# Altium PCB LimeSDR-Micro_1v0.PcbDoc (part 6 of 8)
Units mm, origin at the board's own origin, x right, y up, seen from the top; angles counter-clockwise.
Board outline 50.8 x 29.7 mm, 8 copper layers (Top, L2, L3, L4, L5, L6, L7, Bottom), stack 0.925 mm thick; 648 components, 374 nets, 2297 pads, 812 vias.
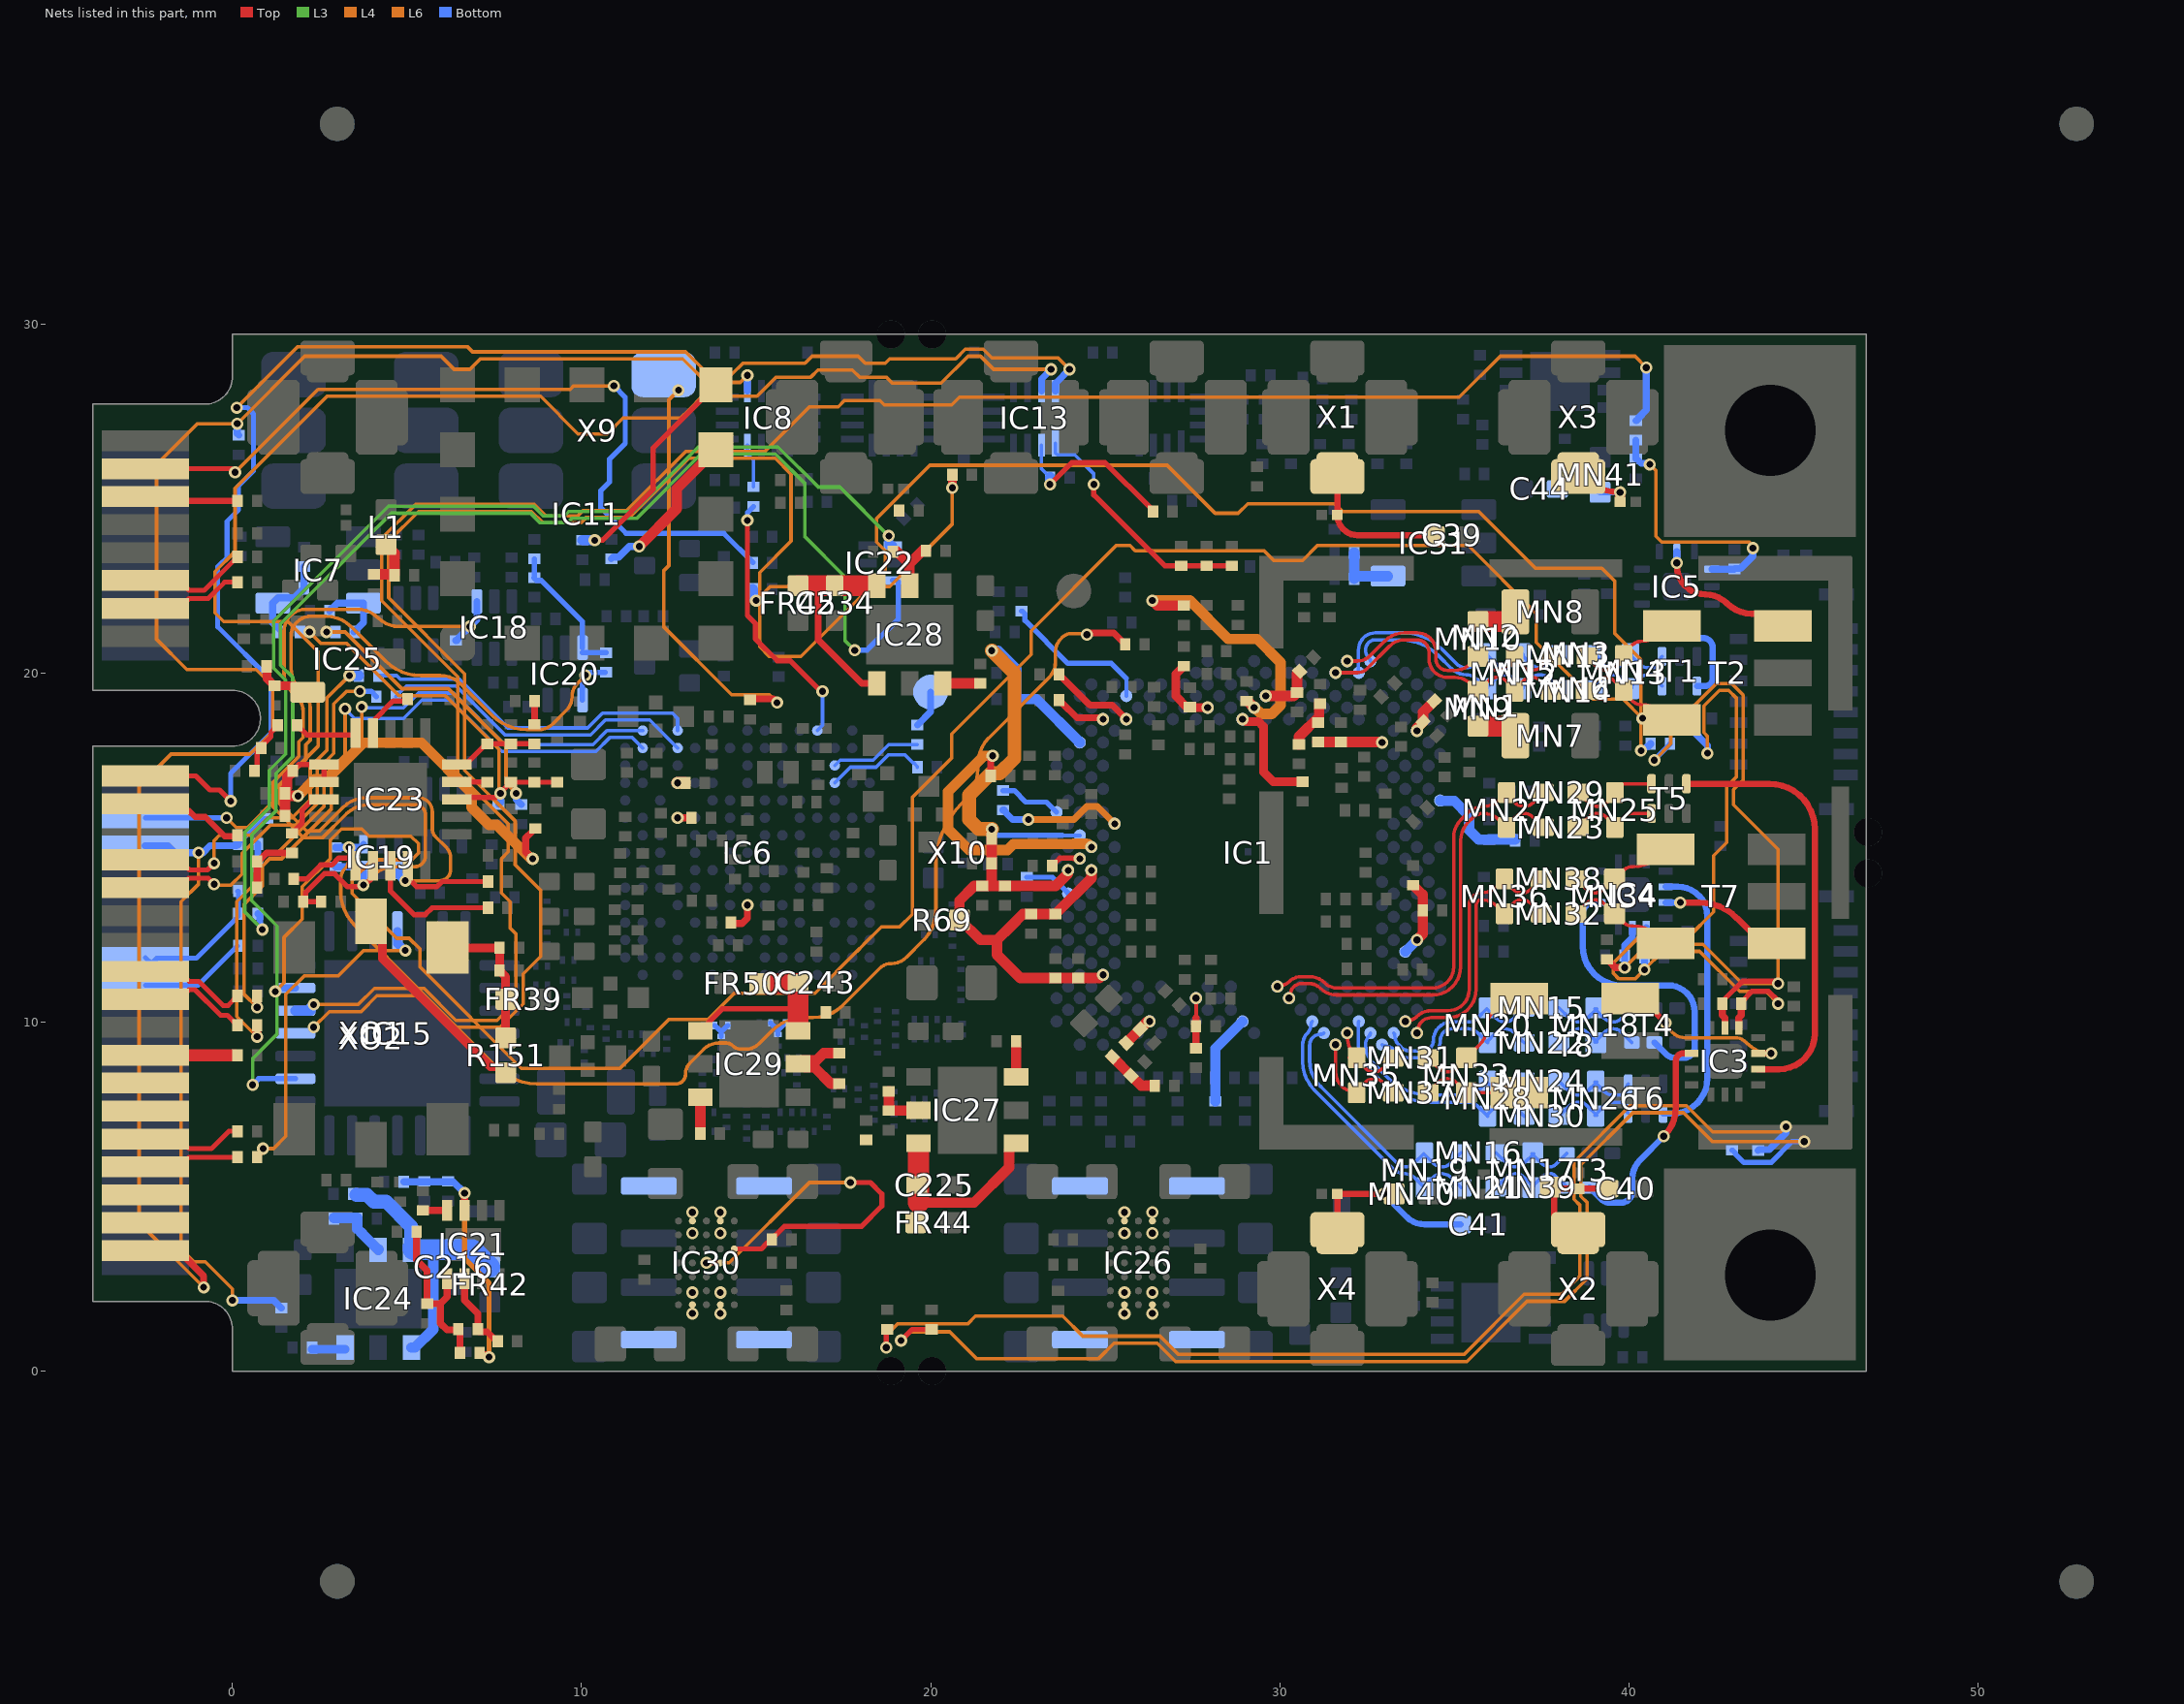
[diagram p12: the nets of this part, all layers, seen from the top]

## Via types
v1: diameter 0.35, hole 0.2, Top to Bottom, tented both sides, 670 vias
v2: diameter 0.35, hole 0.2, L5 to Bottom, tented both sides, 104 vias
v3: diameter 0.4, hole 0.2, Top to Bottom, tented both sides, 30 vias
v4: diameter 0.5, hole 0.2, Top to Bottom, tented both sides, 8 vias

## Nets (pads, with @x,y where several pads share a name; then routed paths per layer and width w, separated by ;. In a path a pad name is that pad's centre, name@x,y a point inside that pad or via, vN(x,y) a via of type N, cw(c..) or ccw(c..) an arc to the next point about the centre after c; other vN are vias at no path point) (continued)
NetC90_1: C90.1 C91.1 C92.1 C93.1 C94.1 C95.1 C96.1 C97.1 C98.1 C99.1 IC1.AH30 IC1.H32 IC1.T32 IC1.W31 IC1.W33 R69.2 | length 27.7
  Top w0.3: R69.2@20.825,12.925 R69.2@20.825,12.95 ; v1@21.746,15.525 C94.1@21.746,15.258 C95.1@21.746,14.541 21.746,13.9 ; 22.3,12.749 21.9,12.349 ; 22.3,12.75 22.641,13.091 C91.1@22.875,13.091 C90.1@23.575,13.091 24.604,14.12 v1(24.604,14.346) ; v1(23.938,14.346) 23.929,14.336 23.929,14.245 23.584,13.9 C96.1@22.13,13.9 21.746,13.9 ; v1(24.937,11.349) 24.924,11.349 24.832,11.257 C99.1@24.225,11.257 C98.1@23.575,11.257 22.568,11.257 21.9,11.925 21.9,12.349 ; R69.2@20.825,12.95 21.426,12.349 21.9,12.349 ; R69.2@20.825,12.95 20.825,13.475 21.25,13.9 C97.1@21.475,13.9 21.746,13.9
  L4 w0.4: v1(21.75,15.525) 21.375,15.525 21.1,15.8 21.1,16.5 21.725,17.125 21.975,17.125 22.4,17.55 22.4,19.989 v1(21.75,20.639)
  Bottom w0.11: 23.767,15.345 IC1.T32@24.271,15.345
  Bottom w0.15: v1(21.75,15.525) 21.93,15.345 23.767,15.345
  Bottom w0.3: v1(21.75,20.639) 21.93,20.639 22.45,20.119 C93.1@22.45,20 C92.1@22.45,19.25 23.031,19.25 IC1.H32@24.271,18.009
NetC100_1: C100.1 FR26.1 IC1.G3 | length 1.1
  Top w0.3: v1(33.929,18.342) 33.938,18.352 33.938,18.434 34.12,18.616 34.106,18.629 34.106,18.877 FR26.1@34.427,19.198
NetC101_1: C101.1 FR33.1 IC1.E21 | length 2
  Top w0.25: FR33.1@27.25,20.195 27.225,20.195 27.2,20.17 27.2,20.145 27.025,19.97 27.025,19.337 27.354,19.008 v1(27.934,19.008)
NetC102_1: C102.1 FR32.1 IC1.D16 | length 1.6
  Top w0.3: v1(29.599,19.341) 30.395,19.341 C102.1@30.495,19.441 30.495,19.975 FR32.1@30.57,20.05
NetC103_1: C103.1 FR31.1 IC1.E17 | length 7.8
  Top w0.3: v1(26.35,22.075) 26.495,21.93 FR31.1@27.25,21.93 ; C103.1@29.05,19.195 29.075,19.195 29.262,19.008 v1(29.266,19.008)
  L4 w0.3: v1(26.35,22.075) 27.425,22.075 28.525,20.975 29.35,20.975 30.025,20.3 30.025,19.075 29.775,18.825 29.463,18.825 29.28,19.008 v1(29.266,19.008)
NetC104_1: C104.1 FR30.1 IC1.AK22 | length 1.4
  Top w0.11: 27.601,10.124 v1(27.601,10.683)
  Top w0.2: FR30.1@27.601,9.25 C104.1@27.601,9.875 27.601,10.124
NetC105_1: C105.1 FR29.1 IC1.AM18 | length 2.6
  Bottom w0.3: FR29.1@28.155,7.73 C105.1@28.155,8.4 28.155,9.239 IC1.AM18@28.933,10.017
NetC106_1: C106.1 FR28.2 IC1.AE3 IC1.AF4 | length 2.2
  Top w0.3: FR28.2@33.82,13.92 34.095,13.645 C106.1@34.095,13.2 34.095,12.528 33.929,12.362 v1(33.929,12.348)
  Bottom w0.3: IC1.AF4@33.596,12.015 v1(33.929,12.348)
NetC107_1: C107.1 FR27.2 IC1.N1 | length 2.9
  Bottom w0.3: IC1.N1@34.595,16.344 34.606,16.333 34.997,16.333 35.425,15.905 35.425,15.5 35.7,15.225 C107.1@36,15.225 ; C107.1@36,15.23 FR27.2@36.745,15.23
NetC108_1: C108.1 FR35.1 IC1.AM26 | length 0.9
  Top w0.3: FR35.1@25.598,9.398 26.207,10.007 26.26,10.007 v1(26.269,10.017)
NetC109_1: C109.1 FR34.2 IC1.H6 | length 1.9
  Top w0.3: FR34.2@31.075,18.02 31.725,18.02 32.905,18.02 32.916,18.009 v1(32.93,18.009)
NetC110_1: C110.1 FR35.2 R71.2 | length 1.6
  Top w0.3: FR35.2@25.202,9.002 C110.1@25.74,8.465 26.029,8.175 R71.2@26.42,8.175
NetC111_1: C111.1 FR34.1 R70.1 | length 1.4
  Top w0.3: C111.1@30.55,17.955 30.55,18.175 31.125,18.75 31.125,19.12 R70.1@31.15,19.12
NetC125_1: C125.1 R79.1 | length 8.4
  L6 w0.1: v2(2.205,21.175) 2.53,20.85 3.267,20.85 4.767,19.35 6.1,19.35 7.634,17.816 7.634,16.591 v2(7.675,16.55)
  Bottom w0.2: R79.1@7.625,16.23 7.675,16.28 v2(7.675,16.55)
NetC125_2: C125.2 IC7.4 R74.2 R75.2 | length 2.6
  Bottom w0.2: C125.2@1.42,21.175 1.15,21.445 IC7.4@1.15,22 1.305,22.155 1.775,22.155 1.97,22.35 1.995,22.35 2.045,22.4 R74.2@2.045,22.425 2.045,23.04 R75.2@2.05,23.045
NetC131_1: C131.1 R82.1 | length 8.3
  L6 w0.1: v2(2.695,21.175) 3.225,21.175 4.85,19.55 6.183,19.55 7.834,17.899 7.834,16.851 8.125,16.56 v2(8.125,16.55)
  Bottom w0.2: v2(8.125,16.55) 8.125,16.38 R82.1@8.275,16.23
NetC131_2: C131.2 IC7.3 R84.2 | length 2
  Bottom w0.2: R84.2@2.78,21.775 2.78,21.8 2.83,21.85 2.855,21.85 3.005,22 IC7.3@3.75,22 3.75,21.445 C131.2@3.48,21.175
NetC167_1: C167.1 L1.2 R107.1 | length 1.4
  Top w0.3: R107.1@4.175,22.83 4.645,22.83 4.645,23.43 L1.2@4.4,23.675
NetC186_1: C186.1 C187.1 FR39.1 R151.2 XO1.5 XO2.4 | length 4.3
  Top w0.25: XO1.5@6.164,12.135 6.164,12.225 6.264,12.125 C186.1@7.65,12.125 7.65,11.48 C187.1@7.645,11.475 7.825,11.295 FR39.1@7.825,10.65 7.823,10.648 R151.2@7.823,9.547
NetC193_2: C193.2 IC20.3 R157.2 R162.1 | length 3.9
  Bottom w0.15: R157.2@8.625,22.73 8.7,22.655 8.84,22.655 10.025,21.47 IC20.3@10.025,20.725 ; R157.2@8.65,22.73 C193.2@8.65,23.27 ; IC20.3@10.02,20.58 R162.1@10.7,20.58
NetC194_1: C194.1 IC21.7 R165.1 R167.1 R168.1 | length 7.7
  Top w0.2: IC21.7@6.65,4.6 v1(6.65,5.1) ; R167.1@7.08,0.525 7.13,0.475 7.275,0.475 v1(7.35,0.4)
  L4 w0.15: v1(6.65,5.1) 6.65,3.225 7.35,2.525 v1(7.35,0.4)
  Bottom w0.2: R165.1@4.905,5.425 6.325,5.425 v1(6.65,5.1)
NetC196_1: C196.1 FR40.2 IC21.1 R161.1 R167.2 | length 5.2
  Top w0.2: FR40.2@5.275,3.995 5.275,3.18 5.575,2.88 C196.1@5.575,1.93 5.955,1.93 ; IC21.1@6.15,2.65 6.15,2.125 5.955,1.93 ; R167.2@6.52,0.525 6.52,1.125 6.47,1.175 R161.1@6.47,1.2 6.45,1.18 6.145,1.18 5.955,1.37 5.955,1.93
NetC198_2: C198.2 C199.2 C200.2 FR41.2 IC23.6 IC23.7 | length 13.1
  Top w0.15: C199.2@1.825,17.3 1.9,17.375 IC23.6@2.625,17.375 IC23.7@2.625,16.875
  Top w0.2: v1(8.6,14.675) 8.4,14.875 8.4,15.27 8.6,15.47 8.6,15.495 8.65,15.545 FR41.2@8.675,15.545
  Top w0.3: C200.2@1.505,15.9 C198.2@1.505,16.525 ; C199.2@1.725,17.175 1.565,17.015 1.565,16.723 1.505,16.663 C198.2@1.505,16.55 C198.2@1.505,16.525 ; v1(1.875,16.475) 1.865,16.485 1.57,16.485 1.53,16.525 C198.2@1.505,16.525
  L6 w0.3: v1(1.875,16.475) 2.35,16.95 2.7,16.95 3.75,18 5.412,18 6.85,16.562 6.85,16.15 7.35,15.65 7.575,15.65 8.55,14.675 v1(8.6,14.675)
NetC202_1: C202.1 C203.2 R169.1 | length 1.6
  Top w0.15: C203.2@0.705,17.2 0.705,17.71 0.82,17.825 R169.1@0.82,17.85 0.895,17.925 0.895,17.97 1.1,18.175 1.1,18.305 1.195,18.4 1.22,18.4 1.295,18.475 C202.1@1.295,18.5
NetC202_2: C202.2 IC23.5 | length 1.8
  Top w0.15: C202.2@1.855,18.5 2.13,18.225 3.475,18.225 IC23.5@3.525,18.275
NetC206_1: C206.1 C208.2 IC23.18 R171.1 | length 3.1
  Top w0.15: IC23.18@6.425,16.375 6.48,16.43 7.535,16.43 7.875,16.77 7.875,16.795 7.95,16.87 C206.1@7.975,16.87 C208.2@8.65,16.87 R171.1@9.3,16.87
NetC209_1: C209.1 IC23.8 | length 1.6
  Top w0.15: C209.1@1.7,15.405 1.725,15.405 1.8,15.48 1.8,15.505 2,15.705 2,16.075 2.3,16.375 IC23.8@2.625,16.375
NetC209_2: C209.2 C210.1 R179.2 | length 1.8
  Top w0.2: C210.1@0.705,13.85 0.705,14.575 0.975,14.845 C209.2@1.7,14.845
NetC211_2: C211.2 IC23.4 | length 1.6
  Top w0.15: IC23.4@4.025,18.275 4.025,18.625 4.6,19.2 C211.2@5.02,19.2
NetC213_1: C213.1 R181.1 | length 0.7
  Top w0.2: C213.1@8.65,18.53 8.65,19.195 R181.1@8.655,19.2
NetC213_2: C213.2 C214.2 IC23.20 R178.2 | length 2.5
  Top w0.15: IC23.20@6.425,17.375 6.673,17.375 R178.2@7.284,17.986 ; R178.2@7.3,17.97 C214.2@7.975,17.97 C213.2@8.65,17.97
NetC215_1: C215.1 IC23.12 R183.1 | length 3.6
  Top w0.15: R183.1@2.54,13.45 2.099,13.45 C215.1@2.025,13.45 2.099,13.524 2.099,13.719 2.63,14.25 2.925,14.25 3.3,13.875 3.747,13.875 3.95,14.078 3.95,14.125 4.025,14.2 IC23.12@4.025,14.475
NetC216_2: C216.2 FR42.2 IC24.1 IC24.6 R188.1 | length 8
  Bottom w0.3: IC24.6@5.025,3.575 IC24.6@5.125,3.475 ; IC24.1@5.125,0.675 5.229,0.675 5.75,1.196 5.75,3.225
  Bottom w0.4: R188.1@3.55,5.05 3.85,5.05 4.05,4.85 4.403,4.85 5.125,4.128 IC24.6@5.125,3.475
  Bottom w0.6: IC24.6@5.175,3.475 C216.2@6.325,3.475 6.875,3.475 FR42.2@7.375,2.975
NetC221_2: C221.2 IC24.3 | length 0.9
  Bottom w0.25: C221.2@2.28,0.625 IC24.3@3.225,0.625
NetC225_2: C225.2 FR44.2 IC27.1 IC27.6 R194.1 | length 5.4
  Top w0.3: 19.65,4.825 21.241,4.825 22.25,5.834 22.25,6.325 IC27.1@22.45,6.525
  Top w0.6: 19.65,4.825 IC27.6@19.65,6.45
NetC230_2: C230.2 IC27.3 | length 0.9
  Top w0.3: IC27.3@22.45,8.425 C230.2@22.45,9.37
NetC234_2: C234.2 FR45.2 IC28.1 IC28.6 R200.1 | length 5.9
  Top w0.2: 16.775,22.5 16.775,20.95 18.025,19.7 IC28.1@18.45,19.7
  Top w0.6: FR45.2@16.2,22.5 16.775,22.5 C234.2@17.25,22.5 IC28.6@18.4,22.5
NetC240_2: C240.2 IC28.3 | length 0.9
  Top w0.3: IC28.3@20.35,19.7 C240.2@21.295,19.7
NetC243_2: C243.2 FR50.2 IC29.1 IC29.6 R204.1 | length 5.1
  Top w0.15: IC29.1@13.4,9.75 14.025,10.375 16.05,10.375
  Top w0.6: FR50.2@15.1,11.1 C243.2@16.175,11.1 ; IC29.6@16.2,9.825 C243.2@16.2,10.95
NetC249_2: C249.2 IC29.3 | length 0.9
  Top w0.3: C249.2@13.4,6.905 IC29.3@13.4,7.85
NetFR36_2: FR36.2 IC11.9 | length 6.4
  Top w0.15: v1(10.375,23.8) 10.6,23.8 12.05,25.25 12.05,26.45 13.425,27.825 13.45,27.825 13.85,28.225 IC11.9@13.85,28.25
  Bottom w0.3: FR36.2@10.025,23.805 10.37,23.805 v1(10.375,23.8)
NetFR37_2: FR37.2 IC11.10 | length 4.6
  Top w0.3: v1(11.65,23.625) 12.725,24.7 12.725,25.275 IC11.10@13.85,26.4
  Bottom w0.2: FR37.2@10.85,23.27 10.9,23.32 11.065,23.32 11.37,23.625 v1(11.65,23.625)
NetIC1_AA33: IC1.AA33 R7.2 | length 1.4
  Bottom w0.15: R7.2@22.75,14.15 23.485,14.15 23.938,13.697 IC1.AA33@23.938,13.68
NetIC1_D28: IC1.D28 R23.1 | length 4.4
  Bottom w0.11: IC1.D28@25.603,19.341 25.603,19.845
  Bottom w0.15: R23.1@22.6,21.77 22.625,21.77 22.7,21.695 22.7,21.505 23.93,20.275 25.171,20.275 25.371,20.075 25.374,20.075 25.603,19.845
NetIC1_F18: IC1.F18 R35.1 | length 3.2
  Top w0.25: v1(28.933,18.675) 28.961,18.675 29.028,18.608 29.389,18.608 29.535,18.462 29.535,17.165 29.82,16.88 R35.1@30.65,16.88
NetIC1_F28: IC1.F28 R22.1 | length 2.5
  Top w0.2: R22.1@23.68,19.957 24.562,19.075 25.204,19.075 v1(25.603,18.675)
NetIC1_F30: IC1.F30 R21.1 | length 1.5
  Top w0.2: R21.1@23.68,19.225 23.68,19.2 23.73,19.15 23.755,19.15 24.188,18.717 24.855,18.717 24.897,18.675 v1(24.937,18.675)
NetIC1_P34: IC1.P34 R24.1 | length 1.8
  Bottom w0.15: R24.1@22.075,16.63 22.395,16.63 22.725,16.3 23.317,16.3 IC1.P34@23.605,16.011
NetIC1_R29: IC1.R29 R24.2 | length 3.7
  L4 w0.2: v1(22.8,15.8) 24.1,15.8 24.475,16.175 24.774,16.175 v1(25.27,15.678)
  Bottom w0.2: R24.2@22.075,16.07 22.1,16.07 22.15,16.02 22.15,15.995 22.345,15.8 v1(22.8,15.8)
NetIC1_U31: IC1.U31 R25.2 | length 7.9
  Top w0.15: v1@24.587,15.029 v1(24.604,15.012)
  Top w0.2: R25.2@21.72,17.05 21.72,17.529 21.775,17.584 v1(21.775,17.625)
  L4 w0.3: v1(21.775,17.625) 21.525,17.625 20.5,16.6 20.5,15.525 21.1,14.925 22.2,14.925 22.375,15.1 24.091,15.1 24.095,15.104 24.448,15.104 24.452,15.1 24.517,15.1 v1(24.604,15.012)
NetIC1_V32: IC1.V32 R8.2 | length 0.9
  Top w0.15: R8.2@23.48,14.475 23.48,14.5 23.555,14.575 23.58,14.575 23.701,14.696 24.083,14.696 24.1,14.679 v1(24.271,14.679) v1@24.254,14.696
NetIC6_E8: IC6.E8 R98.1 | length 0.9
  Top w0.2: R98.1@14.28,12.85 14.305,12.825 14.6,12.825 14.751,12.976 v1(14.751,13.35)
NetIC6_K4: IC6.K4 R78.1 | length 0.4
  Top w0.2: v1(12.751,15.85) R78.1@13.145,15.85
NetIC6_M4: IC6.M4 R77.1 | length 0.2
  Top w0.35: v1(12.751,16.85) R77.1@12.946,16.85
NetIC6_M13: IC6.M13 R83.1 | length 2.9
  Bottom w0.1: IC6.M13@17.251,16.85 17.701,17.3 18.433,17.3 18.783,17.65 19.27,17.65 19.495,17.425 19.52,17.425 19.62,17.325 R83.1@19.62,17.3
NetIC6_N13: IC6.N13 R76.2 | length 2.6
  Bottom w0.1: IC6.N13@17.251,17.35 17.26,17.35 17.41,17.5 18.35,17.5 18.8,17.95 R76.2@19.62,17.95
NetIC6_R12: IC6.R12 R73.2 | length 7.6
  Top w0.15: v1(14.75,24.37) 14.75,21.65 14.975,21.425 14.975,20.979 15.604,20.35 15.976,20.35 v1@16.851,19.475
  Bottom w0.1: IC6.R12@16.751,18.35 16.901,18.5 v1(16.901,19.475)
  Bottom w0.15: v1(14.75,24.37) 14.75,24.595 R73.2@14.925,24.77
NetIC18_4: IC18.4 IC19.3 R154.1 R155.2 | length 22.5
  L6 w0.1: 1.658,21.641 ccw(c2.102,21.198) 1.475,21.198 1.475,20 ccw(c2.26,20) 1.705,19.445 ; 1.659,21.642 cw(c2.102,21.198) 2.102,21.825 3.575,21.825 cw(c3.575,20.98) 4.172,21.578 ; 1.705,19.445 1.865,19.285 cw(c1.478,18.899) 2.025,18.899 2.025,18.158 1.9,18.033 1.9,17.608 1.15,16.858 1.15,16.167 2.042,15.275 2.575,15.275 3.263,15.963 cw(c3.896,15.329) 3.896,16.225 5.241,16.225 cw(c5.241,15.941) 5.525,15.941 5.525,14.758 cw(c5.217,14.758) 5.217,14.45 4.646,14.45 ccw(c4.646,13.554) 4.013,14.188 ; v2(3.75,13.925) 4.013,14.188 ; 4.173,21.577 ccw(c4.77,22.175) 4.77,21.33 v2(6.8,21.33)
  Bottom w0.2: R154.1@2.95,14.445 IC19.3@3.725,14.445 ; v2(3.75,13.925) IC19.3@3.75,14.313 ; R155.2@6.4,20.93 6.425,20.93 6.475,20.98 6.475,21.005 v2(6.8,21.33) 7,21.53 IC18.4@7,22.05
NetIC19_1: IC19.1 IC20.4 R162.2 | length 26.4
  L6 w0.1: 1.95,19.483 cw(c2.614,20.147) 1.675,20.147 1.675,21.05 cw(c2.25,21.05) 2.25,21.625 2.675,21.625 cw(c2.675,20.599) 3.401,21.324 4.037,20.688 4.378,20.347 ccw(c5.397,21.367) 5.397,19.925 5.95,19.925 cw(c5.95,19.08) 6.548,19.677 7.439,18.786 ccw(c8.431,19.777) 8.431,18.375 8.769,18.375 ccw(c8.769,18.956) 9.179,18.545 ; 1.95,19.483 2.088,19.345 cw(c1.756,19.013) 2.225,19.013 2.225,18.075 2.1,17.95 2.1,17.525 1.35,16.775 1.35,16.25 2.125,15.475 2.492,15.475 3.171,16.154 cw(c3.826,15.499) 3.826,16.425 5.324,16.425 cw(c5.324,16.024) 5.725,16.024 5.725,15.512 ccw(c5.995,15.512) 5.804,15.321 6.125,15 cw(c5.823,14.698) 6.25,14.698 6.25,14.365 cw(c5.935,14.365) 5.935,14.05 v2(4.95,14.05) ; 9.18,18.545 9.563,18.928 ccw(c9.17,19.32) 9.725,19.32 cw(c10.28,19.32) 9.887,19.713 v2(10.11,19.935)
  Bottom w0.15: IC20.4@10.025,19.225 10.025,19.85 v2(10.11,19.935) 10.195,20.02 R162.2@10.675,20.02
  Bottom w0.25: IC19.1@4.75,14.362 4.75,14.225 4.754,14.225 4.929,14.05 v2(4.95,14.05)
NetIC19_4: IC19.4 R154.2 R156.1 | length 35
  Top w0.2: v1@24.6,21.15 25.245,21.15 25.495,20.9 25.52,20.9 25.57,20.85 R156.1@25.57,20.825
  L6 w0.1: 3.218,14.393 ccw(c3.505,14.107) 3.1,14.107 3.1,13.725 ccw(c4.428,13.725) 3.489,12.786 5.385,10.89 7.575,8.7 ccw(c8.722,9.848) 8.722,8.225 12.7,8.225 ccw(c12.7,8.5) 12.975,8.5 cw(c13.458,8.5) 13.116,8.841 13.492,9.217 ; 3.219,14.394 ccw(c2.932,14.68) 3.337,14.68 v2(3.337,15.005) ; 13.492,9.217 cw(c13.934,8.774) 13.934,9.4 14.144,9.4 cw(c14.144,9.144) 14.325,9.325 ccw(c14.566,9.566) 14.566,9.225 14.725,9.225 ccw(c14.725,9.708) 15.066,9.366 15.433,9.733 cw(c16.379,8.788) 16.379,10.125 16.632,10.125 ccw(c16.632,11.315) 17.474,10.474 18.534,11.534 cw(c18.875,11.192) 18.875,11.675 ccw(c18.875,12.279) 19.302,11.852 19.8,12.35 ccw(c18.955,13.195) 20.15,13.195 20.15,14.473 cw(c22.69,14.473) 20.894,16.269 20.975,16.35 ccw(c20.07,17.255) 21.35,17.255 21.35,17.375 cw(c22.436,17.375) 21.668,18.143 23.381,19.856 ccw(c22.911,20.325) 23.575,20.325 23.575,20.613 cw(c24.087,20.613) 23.725,20.975 23.77,21.02 cw(c24.023,20.768) 24.023,21.125 24.415,21.125 cw(c24.415,21.04) v1(24.475,21.1)
  Bottom w0.2: R154.2@2.95,15.005 v2(3.337,15.005) 3.725,15.005 3.75,15.03 IC19.4@3.75,15.087
NetIC21_2: IC21.2 R160.2 R161.2 | length 2.3
  Top w0.2: IC21.2@6.65,2.65 6.65,2.025 7.03,1.645 R161.2@7.03,1.2 7.03,1.175 7.08,1.125 7.295,1.125 7.545,0.875 R160.2@7.545,0.85
NetIC21_8: IC21.8 R158.1 | length 0.7
  Top w0.2: R158.1@5.455,4.605 6.145,4.605 IC21.8@6.15,4.6
NetIC23_11: IC23.11 R174.2 | length 2.2
  Top w0.15: R174.2@1.755,14.1 2.125,14.1 2.525,14.5 2.85,14.5 3.05,14.7 3.525,14.7 IC23.11@3.525,14.475
NetIC23_13: IC23.13 R185.1 | length 3.9
  Top w0.15: IC23.13@4.525,14.475 4.525,13.75 5.2,13.075 5.52,13.075 5.72,13.275 R185.1@7.32,13.275
NetIC23_14: IC23.14 R186.1 | length 2.8
  Top w0.15: IC23.14@5.025,14.475 5.072,14.428 5.072,14.078 5.275,13.875 5.85,13.875 6,14.025 R186.1@7.32,14.025
NetIC23_19: IC23.19 R180.1 | length 0.9
  Top w0.15: IC23.19@6.425,16.875 7.295,16.875 R180.1@7.3,16.87
NetIC24_5: IC24.5 R189.2 R192.1 | length 1.9
  Bottom w0.3: R189.2@2.904,4.392 3.577,4.392 3.577,4.075 3.579,4.075 3.725,3.929 3.725,3.925 IC24.5@4.175,3.475 IC24.5@4.185,3.485
NetIC25_2: IC25.2 R191.2 R193.1 | length 1.7
  Top w0.25: R191.2@0.975,20.187 0.986,20.176 0.986,19.844 1.15,19.68 1.15,19.655 1.175,19.63 R193.1@1.2,19.63 1.77,19.63 1.95,19.45 IC25.2@2.15,19.45
NetIC26_A2: IC26.A2 IC26.B2 L3.1
  other v1: 26.35,1.65 26.35,2.25
NetIC26_A4: IC26.A4 IC26.B4 L2.1
  other v1: 25.55,1.65 25.55,2.25
NetIC26_F2: IC26.F2 IC26.G2 L5.1
  other v1: 26.35,3.95 26.35,4.55
NetIC26_F4: IC26.F4 IC26.G4 L4.1
  other v1: 25.55,3.95 25.55,4.55
NetIC27_5: IC27.5 R195.2 R196.1 | length 1.4
  Top w0.3: R195.2@18.8,8.015 R196.1@18.8,7.465 IC27.5@19.64,7.465 ; IC27.5@19.64,7.465 IC27.5@19.65,7.475
NetIC28_5: IC28.5 R201.2 R203.1 | length 1.9
  Top w0.3: R203.1@18.915,23.5 19.015,23.5 19.39,23.124 ; IC28.5@19.4,22.5 19.39,22.51 19.39,23.124 ; R201.2@19.865,23.525 19.791,23.525 19.39,23.124
NetIC29_5: IC29.5 R206.2 R208.1 | length 2.7
  Top w0.3: R206.2@17.375,8.235 17.14,8.235 16.675,8.7 16.4,8.7 16.3,8.8 IC29.5@16.2,8.8 16.3,8.9 16.728,8.9 16.938,9.11 R208.1@17.375,9.11
NetIC30_A2: IC30.A2 IC30.B2 L7.1
  other v1: 13.175,3.95 13.175,4.55
NetIC30_A4: IC30.A4 IC30.B4 L6.1
  other v1: 13.975,3.95 13.975,4.55
NetIC30_C5: IC30.C5 IC30.D3 IC30.D4 R209.2 | length 11.6
  Top w0.15: v1(13.575,3.1) IC30.D4@13.975,3.1 ; IC30.C5@14.375,3.5 15.15,3.5 15.325,3.675 15.375,3.675 15.45,3.75 R209.2@15.45,3.775 15.45,3.8 15.525,3.875 15.538,3.875 15.813,4.15 18.021,4.15 18.6,4.729 18.6,5.075 18.272,5.403 v1(17.703,5.403)
  L6 w0.1: v1(13.575,3.1) 14.225,3.1 16.528,5.403 v1(17.703,5.403)
NetIC30_F2: IC30.F2 IC30.G2 L9.1
  other v1: 13.175,1.65 13.175,2.25
NetIC30_F4: IC30.F4 IC30.G4 L8.1
  other v1: 13.975,1.65 13.975,2.25
NetIC31_4: IC31.4 R212.2 R213.1 | length 1.7
  Bottom w0.3: R213.1@32.13,22.7 R213.1@32.13,22.725 ; R212.2@32.13,23.45 R213.1@32.13,22.725 ; IC31.4@33.1,22.775 32.205,22.775 32.155,22.725 R213.1@32.13,22.725
NetLED1_K: LED1.K R137.1 | length 34
  Top w0.15: v1(18.725,0.675) LED1.K@18.725,1.195
  L3 w0.1: v1(18.725,0.675) v1@18.738,0.688
  L6 w0.1: v1(18.725,0.675) 18.725,1.025 19.05,1.35 21.058,1.35 21.283,1.575 23.783,1.575 24.358,1 26.575,1 27.1,0.475 35.275,0.475 37,2.2 38.075,2.2 38.6,2.725 38.6,4.75 38.425,4.925 38.425,5.992 40.033,7.6 41.65,7.6 42.4,6.85 44.35,6.85 v2(44.5,7)
  Bottom w0.2: R137.1@43.7,6.32 43.727,6.347 44.022,6.347 44.5,6.825 v2(44.5,7)
NetLED2_K: LED2.K R145.1 | length 35.6
  Top w0.15: v1(19.15,0.875) 19.47,1.195 LED2.K@20.025,1.195
  L6 w0.1: v1(19.15,0.875) 19.4,1.125 20.55,1.125 21.325,0.35 24.8,0.35 25.25,0.8 26.492,0.8 27.017,0.275 35.358,0.275 37.083,2 38.158,2 38.8,2.642 38.8,4.833 38.625,5.008 38.625,5.91 40.115,7.4 41.567,7.4 42.392,6.575 v2(45.025,6.575)
  Bottom w0.15: R145.1@42.95,6.325 42.975,6.325 43.05,6.25 43.05,6.225 43.3,5.975 44.075,5.975 44.675,6.575 v2(45.025,6.575)
NetMN7_1: MN7.1 MN9.2 | length 1.2
  Top w0.6: MN9.2@35.675,18.475 36.475,18.475 MN7.1@36.75,18.2
NetMN8_1: MN8.1 MN10.2 | length 1.2
  Top w0.6: MN10.2@35.675,21.475 36.475,21.475 MN8.1@36.75,21.75
NetR2_2: R2.2 R3.2 R4.2 | length 0.6
  Bottom w0.15: R2.2@13.815,9.9 14,9.715 ; R3.2@14,9.59 14,9.715 ; R4.2@14.185,9.9 14,9.715
NetR16_2: R16.2 R17.2 R18.2 | length 0.7
  Bottom w0.15: R18.2@15.415,9.975 15.625,9.765 ; R17.2@15.625,9.64 15.625,9.765 ; R16.2@15.835,9.975 15.625,9.765
NetR76_1: R76.1 TP1.1 | length 1.1
  Bottom w0.2: R76.1@19.62,18.51 20,18.89 TP1.1@20,19.45
NetR88_1: R88.1 X9.6 | length 11.9
  Top w0.2: R88.1@14.825,19.255 15.495,19.255 v1(15.6,19.15)
  L6 w0.1: v1(12.775,28.1) 12.5,27.825 12.5,23.075 12.35,22.925 12.35,21.325 14.3,19.375 15.375,19.375 v1(15.6,19.15)
NetR133_2: R133.2 X10.19 | length 3
  Top w0.18: X10.19@-2.5,16.25 -2.29,16.04 -1.24,16.04 -1.075,15.875 -0.778,15.875 -0.225,15.322 R133.2@0.142,15.322
NetR134_2: R134.2 R135.2 | length 0.6
  Bottom w0.2: R135.2@0.729,14.467 R134.2@0.729,15.1
NetR136_1: R136.1 R142.1 X10.30 | length 4
  Bottom w0.14: X10.30@-2.5,11.85 -2.325,11.675 -2.175,11.825 -1.037,11.825 0.17,13.032 R142.1@0.17,13.75
NetR139_1: R139.1 X10.32 | length 3.1
  Bottom w0.14: X10.32@-2.5,11.05 -0.986,11.05 R139.1@0.145,12.181
NetR143_2: R143.2 X10.37 | length 2.6
  Top w0.35: X10.37@-2.55,9.05 R143.2@0.069,9.05
NetR146_2: R146.2 X10.43 | length 3
  Top w0.14: X10.43@-2.5,6.65 -2.325,6.475 -1.35,6.475 -1.245,6.37 -0.605,6.37 -0.103,6.872 R146.2@0.145,6.872
NetR147_2: R147.2 X10.45 | length 2.8
  Top w0.14: X10.45@-2.5,5.85 -2.325,6.025 -1.35,6.025 -1.245,6.13 0.068,6.13 R147.2@0.145,6.053
NetR151_1: R151.1 XO1.6 | length 6.1